# Allegro board Try it by yourself - iMX6Rex module - Create Class and Assign Color.brd (continued)
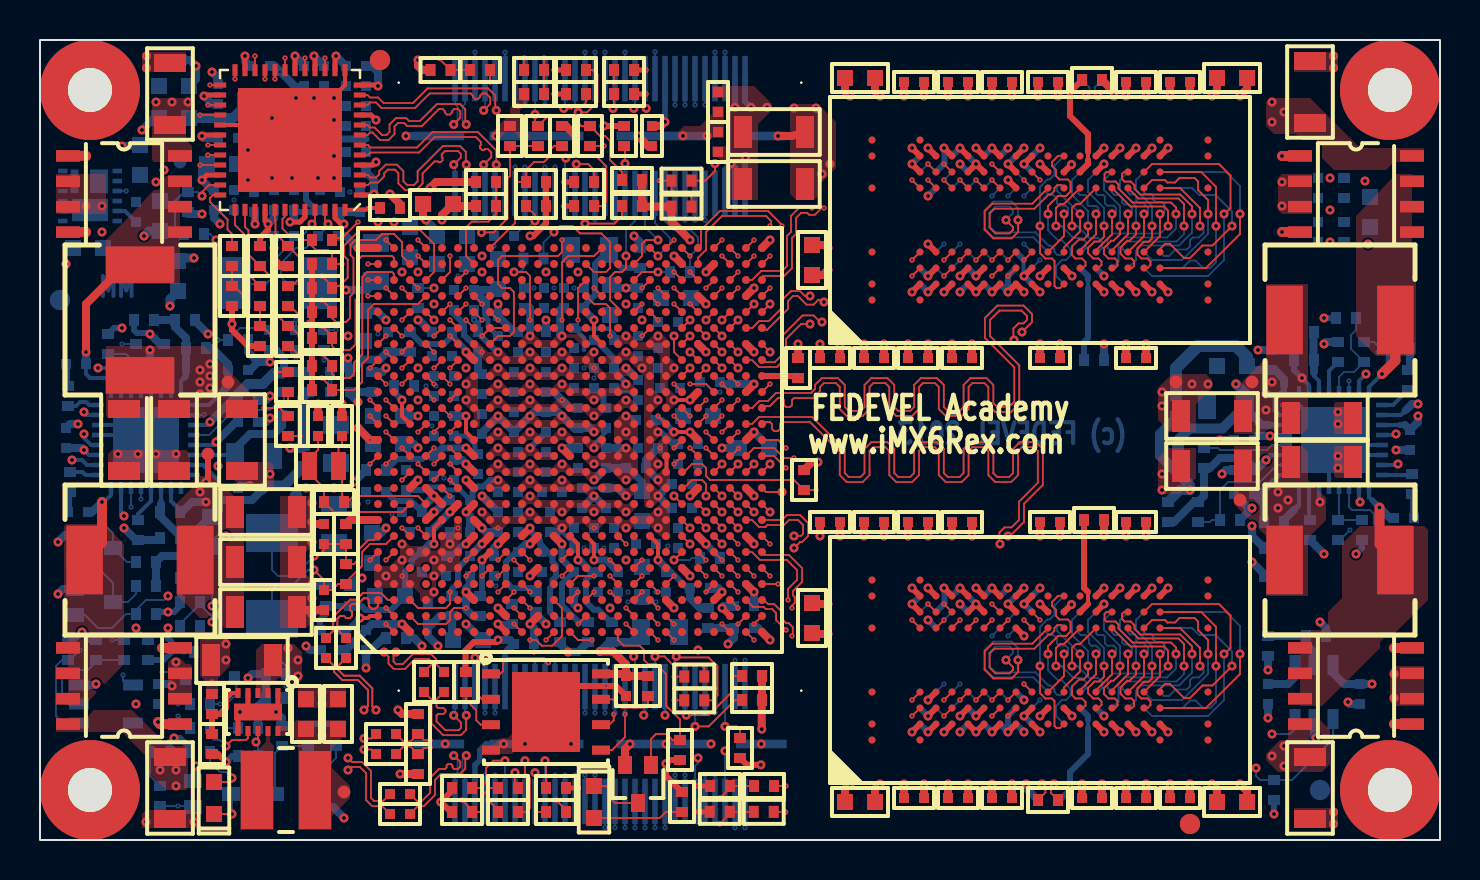
[diagram p0: board, top side]
## Copper pours and planes (outline as drawn; the poured copper is in the pictures) (continued)
+1V2_ETH on BOTTOM: 2.5,32.3 3.4,32.3 3.4,32.8 4.7,32.8 4.7,32.4 4.4,32.1 3.6,32.1 3.6,31.8 4.4,31.8 4.6,31.6 5.1,31.6 5.2,31.5 6.4,31.5 6.4,32.8 7,33.4 7.5,33.9 7.5,35.3 7.9,35.7 7.9,36.5 7,36.5 7,35.9 6.4,35.3 6,34.9 6,34.2 5.5,33.7 2.5,33.7
+1V2_ETH on L5 (PWR): 1,39 7.1,39 7.1,27.3 10.6,23.8 12.5,23.8 12.5,19 13.5,18 13.5,14.1 16.5,14.1 16.5,12 14.4,9.9 7.5,9.9 7.5,21.7 5.2,21.7 5.2,26.2 1,26.2
+1V2_ETH_AVDDL on BOTTOM: 16,34.1 16.4,34.1 16.6,33.9 16.6,33.8 16.7,33.7 16.9,33.7 17,33.8 17,36.8 16.8,37 16,37
+1V2_ETH_DVDDL on L8 (PWR): 1,39 9.9,39 9.9,39.3 10,39.4 10.5,39.4 10.6,39.3 10.6,39 12.4,39 12.4,39.3 12.5,39.4 13,39.4 13.1,39.3 13.1,39 14.4,39 14.4,39.3 14.5,39.4 15.1,39.4 15.2,39.3 15.2,37.4 12.3,34.5 12.3,29.8 8.6,29.8 6,32.4 1,32.4
+1V2_VDD_ARM_CAP on TOP: 28.2,18.6 28.3,18.5 28.3,18.3 27.9,17.9 27.5,17.9 27.2,18.2 26.4,18.2 26.2,18.4 26,18.4 25.8,18.2 24.8,18.2 24.6,18.4 24.4,18.4 24.2,18.2 23.2,18.2 23,18.4 22.8,18.4 22.6,18.2 22.4,18.2 22.3,18.3 22.3,18.5 22.7,18.9 23.1,18.9 23.4,18.6 24,18.6 24.3,18.9 24.7,18.9 25,18.6 25.6,18.6 25.9,18.9 26.3,18.9 26.6,18.6 27.4,18.6 27.6,18.4 27.8,18.4 28,18.6
+1V2_VDD_ARM_CAP on TOP: 22.3,19.9 22.4,19.8 22.6,19.8 22.8,20 23,20 23.2,19.8 24.2,19.8 24.4,20 24.6,20 24.8,19.8 25.8,19.8 26,20 26.2,20 26.4,19.8 27.2,19.8 27.5,19.5 27.9,19.5 28.3,19.9 28.3,20.1 28.2,20.2 28,20.2 27.8,20 27.6,20 27.4,20.2 26.6,20.2 26.3,20.5 25.9,20.5 25.6,20.2 25,20.2 24.7,20.5 24.3,20.5 24,20.2 23.4,20.2 23.1,20.5 22.7,20.5 22.3,20.1
+1V2_VDD_ARM_CAP on BOTTOM: 22.6,17.7 22.6,17.2 23.2,17.2 23.3,17.3 23.3,17.6 23.5,17.8 23.5,18.9 23.7,19.1 24.1,19.1 24.3,18.9 24.3,18.7 24.4,18.6 24.6,18.6 25.1,19.1 25.6,19.1 25.9,18.8 25.9,18.7 26,18.6 26.2,18.6 26.3,18.7 26.3,18.9 25.8,19.4 25.8,19.7 26.1,20 26.3,20.2 26.3,20.5 26.2,20.6 26,20.6 25.8,20.4 25.8,20.2 25.3,19.7 24.2,19.7 24.7,20.2 24.7,20.5 24.6,20.6 24.4,20.6 24.2,20.4 24.2,20.2 23.9,19.9 23.5,19.9 23.2,20.2 23.2,20.4 23,20.6 22.8,20.6 22.6,20.4 22.6,20.1 22.2,19.7 21.8,19.7 21.6,19.5 21.6,19 22.2,19 22.6,18.6 22.9,18.6 23.2,18.3 23.2,17.9 23,17.7
+1V2_VDD_ARM_CAP on L7 (PWR): 17.2,18.9 17.2,20.4 22.2,20.4 22.2,21.9 29.2,21.9 29.2,15.7 25.4,15.7 25.4,16.3 23.7,16.3 23.7,18.4 22.3,18.4 21.8,18.9
+1V5_DDR on TOP: 30.2,16.7 30.3,16.6 30.6,16.6 31,17 31,17.4 30.5,17.9 30.5,18.1 31,18.6 31,19 30.7,19.3 30.7,19.9 31,20.2 31,20.6 30.6,21 30.6,21.4 31,21.8 31,22.2 30.7,22.5 30.7,24.1 30.6,24.2 29.8,24.2 29.5,24.5 29.1,24.5 28.8,24.2 28,24.2 27.9,24.1 27.9,23.9 28,23.8 29,23.8 29.2,24 29.4,24 30.2,23.2
+1V5_DDR on TOP: 63.4,12.2 63.4,15.1 64.3,16 64.3,17.1 63.4,18 63.4,19.4 63.1,19.7 59.7,19.7 59.7,16.8 61.3,15.2 61.3,12.2
+1V5_DDR on BOTTOM: 31.5,27.5 31.5,26.7 31.2,26.4 31.2,25.7 31.1,25.6 30.7,25.6 30.6,25.7 30.1,25.7 29.7,26.1 29.7,26.9 30.3,26.9 30.6,27.2 30.6,27.5
+1V5_DDR on BOTTOM: 30.8,21.8 31,21.8 31.3,22.1 31.3,22.8 31.5,23 32.4,23 32.7,22.7 32.7,22.6 33.3,22.6 33.3,23.2 32.6,23.2 32.5,23.3 31.3,23.3 31.2,23.4 31.2,23.9 30.6,23.9 30.2,24.3 30.2,24.5 29.6,24.5 29.5,24.6 29.2,24.6 29.1,24.5 29.1,24.3 30,23.4 30.2,23.4 30.6,23 30.6,22 30.7,21.9 31.1,21.9
+1V5_DDR on BOTTOM: 32.2,20.1 32.2,18.5 31.9,18.2 31.9,17.5 31.3,17.5 31.3,18.1 30.7,18.7 30.7,18.9 30.9,19.1 31.3,19.1 31.4,19.2 31.4,20.1
+1V5_DDR on BOTTOM: 63.6,33.4 66.1,33.4 66.9,32.6 66.9,31.7 66.1,31.7 66.1,32.5 65.8,32.8 63.6,32.8
+1V5_DDR on BOTTOM: 31.6,15.3 32.2,15.3 32.2,15.9 31.9,16.2 31.9,16.9 31.3,16.9 31.3,16.3 31.6,16
+1V5_DDR on L8 (PWR): 1,1 69,1 69,39 20.1,39 20.1,33.2 20.5,33.2 20.5,30.7 30.1,30.7 30.1,26.3 29,25.2 29,24.1 30,23.1 30,13.9 17.2,13.9 17.2,8.9 12.3,8.9 12.3,19.2 1,19.2
+1V375 on TOP: 22.3,20.7 22.4,20.6 22.6,20.6 22.8,20.8 23,20.8 23.2,20.6 24.2,20.6 24.4,20.8 24.6,20.8 24.8,20.6 25.8,20.6 26,20.8 26.2,20.8 26.4,20.6 27.2,20.6 27.5,20.3 27.9,20.3 28.3,20.7 28.3,20.9 28.2,21 28,21 27.8,20.8 27.6,20.8 27.4,21 26.6,21 26.3,21.3 25.9,21.3 25.6,21 25,21 24.7,21.3 24.3,21.3 24,21 23.4,21 23.1,21.3 22.7,21.3 22.3,20.9
+1V375 on TOP: 3.3,24.7 3.3,21.2 3.4,21.1 10.9,21.1 10.9,22 8.2,24.7
+1V375 on TOP: 23.9,16.7 24,16.6 24.2,16.6 24.4,16.8 24.6,16.8 24.8,16.6 25.6,16.6 25.9,16.3 26.3,16.3 26.6,16.6 27.2,16.6 27.5,16.3 27.9,16.3 28.2,16.6 28.8,16.6 29.1,16.3 29.5,16.3 29.9,16.7 29.9,16.9 29.8,17 29.6,17 29.4,16.8 29.2,16.8 29,17 28,17 27.8,16.8 27.6,16.8 27.4,17 25,17 24.7,17.3 24.3,17.3 23.9,16.9
+1V375 on BOTTOM: 24.8,17 24.8,17.7 25.4,17.7 25.4,17.1 25.9,16.6 26.3,16.6 27,15.9 27.4,15.9 27.5,16 27.5,16.5 27.6,16.6 27.8,16.6 27.9,16.5 27.9,16 28,15.9 28.5,15.9 29.2,16.6 29.4,16.6 29.5,16.5 29.5,16.3 29,15.8 29,15.5 29.4,15.1 30.1,15.1 30.1,14.5 30.5,14.1 30.5,13.2 29.7,13.2 29.7,14.2 29.5,14.4 29.5,14.6 29,15.1 28.9,15.1 28.7,15.3 26.5,15.3 26.5,15.7 26.4,15.8 26.1,16.1 25.2,16.1 25.2,16.6
+1V375 on BOTTOM: 18.9,30.2 18.9,31.1 18.7,31.3 16.8,31.3 16.7,31.2 16.7,30.7 16.8,30.6 17.7,30.6 18.1,30.2
+1V375 on L8 (PWR): 29.8,21.2 29.8,14.1 17,14.1 17,9.1 12.5,9.1 12.5,19.4 1,19.4 1,32.2 5.9,32.2 8.5,29.6 14.7,29.6 16.5,31.4 18.4,31.4 18.4,29.5 17.1,28.2 17.1,26.6 16.5,26 16.5,21.9 26.3,21.9 27,21.2
+1V375_VDDSOC_IN on TOP: 22.3,22.3 22.4,22.2 22.6,22.2 22.8,22.4 23,22.4 23.2,22.2 24.2,22.2 24.4,22.4 24.6,22.4 24.8,22.2 25.8,22.2 26,22.4 26.2,22.4 26.4,22.2 27.2,22.2 27.5,21.9 27.9,21.9 28.2,22.2 29,22.2 29.2,22.4 29.4,22.4 29.6,22.2 29.8,22.2 29.9,22.3 29.9,22.5 29.5,22.9 29.1,22.9 28.8,22.6 28,22.6 27.8,22.4 27.6,22.4 27.4,22.6 26.6,22.6 26.3,22.9 25.9,22.9 25.6,22.6 25,22.6 24.7,22.9 24.3,22.9 24,22.6 23.4,22.6 23.1,22.9 22.7,22.9 22.3,22.5
+1V375_VDDSOC_IN on BOTTOM: 28.1,25.9 28.1,26.7 28.8,26.7 29.1,27 29.4,27 29.5,26.9 29.5,26.6 29.4,26.5 29.4,26.1 29.2,25.9
+1V375_VDDSOC_IN on BOTTOM: 20.3,29.2 20.3,28.4 20.1,28.2 18,28.2 17.9,28.3 17.9,29.5 18,29.6 19,29.6 19.2,29.4 20.1,29.4
+1V375_VDDSOC_IN on BOTTOM: 22.4,23.6 22.8,23.2 23.2,23.2 23.4,23.4 23.4,23.7 24,23.7 24,23.6 24.4,23.2 24.6,23.2 25,23.6 25,23.7 25.6,23.7 25.6,23.5 26,23.1 26.2,23.1 26.4,22.9 27,22.9 27,22.6 27.4,22.2 27.8,22.2 27.9,22.1 27.9,21.9 27.8,21.8 27.5,21.8 27.3,22 27.2,22 27.1,22.1 26.5,22.1 25.5,23.1 25,23.1 24.7,22.8 24.7,22.7 24.6,22.6 24.4,22.6 24.3,22.7 24.3,22.8 24,23.1 23.6,23.1 23.1,22.6 22.7,22.6 22.3,23 21.8,23 21.7,23.1 21.7,23.6
+1V375_VDDSOC_IN on L8 (PWR): 18.6,30.5 18.6,29.4 17.3,28.1 17.3,26.5 16.7,25.9 16.7,22.1 26.4,22.1 27.1,21.4 29.8,21.4 29.8,22.9 28.8,23.9 28.8,25.4 29.9,26.5 29.9,30.5
+2V5 on TOP: 63.4,27.8 63.4,20.6 63.1,20.3 59.7,20.3 59.7,22.3 60.1,22.7 60.1,22.9 61.3,24.1 61.3,27.8
+2V5 on L7 (PWR): 17.7,8.7 23.7,8.7 23.7,10.9 25.4,12.6 25.4,15.5 29.3,15.5 29.4,15.6 29.4,22.1 22.2,22.1 22.2,25.5 18,25.5 18,24.8 16.5,24.8 16.5,20.9 17,20.4 17,18.7 15.8,17.5 13.7,17.5 13.7,25.2 6.3,25.2 6.3,29.2 27,29.2 27,30.7 32.4,30.7 32.4,27.4 54.1,27.4 54.1,22 60.3,22 60.3,23.4 63.6,23.4 63.6,15 54.9,15 54.9,1 14.8,1 14.8,13 17.7,13
+2V5_ETH_DVDDH on L5 (PWR): 7.3,39 7.3,27.4 10.7,24 13.5,24 15.3,25.8 15.3,29.7 23.5,29.7 23.5,39 19.3,39 19.3,39.1 19.2,39.2 18.6,39.2 18.5,39.1 18.5,39 14.1,39 14.1,39.3 14,39.4 13.4,39.4 13.3,39.3 13.3,39
+2V5_VDDHIGH_VPH on L7 (PWR): 23.5,16.3 23.5,18.2 22.2,18.2 21.7,18.7 17.3,18.7 15.9,17.3 14.8,17.3 14.8,15.5 16.3,15.5 16.8,16 18.1,17.3 20.5,17.3 21.5,16.3
+3V0_ALWAYS on TOP: 23.4,16.6 23.5,16.7 23.5,16.9 23.4,17 22.6,17 22.2,17.4 22,17.4 21.9,17.3 21.9,17.1 22.4,16.6
+3V0_ALWAYS on TOP: 11.8,5.7 12.5,5.7 12.8,6 15.3,6 15.3,5.1 15.1,5.1 14.6,4.6 14.6,3.6 15.5,2.7 15.5,2.1 14.6,1.2 14.6,0.5 12.9,0.5 12.9,4.9 12.6,5.2 11.8,5.2
+3V0_ALWAYS on BOTTOM: 14.1,19.3 15.5,19.3 15.5,18.3 15,17.8 15,17.6 14.9,17.5 14.2,17.5 14.1,17.6
+3V0_ALWAYS on L5 (PWR): 1,26 5,26 5,21.5 7.3,21.5 7.3,9.7 14.5,9.7 16.7,11.9 16.7,14.3 13.7,14.3 13.7,17.9 16.1,17.9 17.6,16.4 20.4,16.4 20.4,19.4 23.5,19.4 23.5,13.1 21.1,13.1 19.2,11.2 19.2,7.1 32.7,7.1 32.7,10.3 49.1,10.3 49.1,4.8 49.4,4.5 51,4.5 51.8,3.7 51.8,2.7 52,2.5 54.4,2.5 54.4,3.3 58.9,3.3 60.8,5.2 65.4,9.8 65.4,12.4 65.7,12.7 65.7,14.8 66.8,15.9 66.8,22.9 64.1,25.6 64.1,26.3 64.4,26.6 69,26.6 69,1 1,1
+3V3 on TOP: 24,24.6 24.2,24.6 24.4,24.8 24.6,24.8 24.8,24.6 25.8,24.6 26.3,25.1 26.7,25.1 27.2,24.6 27.4,24.6 27.5,24.7 27.5,24.9 27.1,25.3 25.9,25.3 25.6,25 25,25 24.7,25.3 24.3,25.3 23.9,24.9 23.9,24.7
+3V3 on TOP: 6.8,12.3 8,11.1 8.7,11.1 9.2,10.6 10.2,10.6 10.2,17.2 9.7,17.2 8.7,18.2 8,18.2 7.7,17.9 7.7,17.7 6.8,16.8
+3V3 on TOP: 21.9,21.6 22,21.5 22,20.7 21.9,20.6 21.6,20.6 21.5,20.7 21.5,20.9 21.7,21.1 21.7,21.3 21.2,21.8 21.2,22.2 21.3,22.3 21.3,22.5 21.2,22.6 21.2,23 21.6,23.4 21.8,23.4 21.9,23.3
+3V3 on BOTTOM: 23.9,26.9 26.5,26.9 26.5,26.3 26.2,26 25.8,26 25.5,26.3 25.1,26.3 24.7,25.9 24.3,25.9 23.9,26.3
+3V3 on BOTTOM: 20.3,24.4 20.4,24.5 20.8,24.5 20.9,24.4 20.9,23.6 21,23.5 21,23.3 21.3,23 21.4,23 21.5,22.9 21.5,21.9 21.4,21.8 20.6,21.8 20.4,22 20.4,23.8 20.3,23.9
+3V3 on BOTTOM: 4.1,5.5 5.2,5.5 5.3,5.6 5.3,6.1 5.7,6.5 6.2,6.5 6.2,7.1 4.7,7.1 4.1,6.5
+3V3 on BOTTOM: 0.9,31.1 1.4,31.1 1.4,30.5 1.8,30.1 1.9,30 2.1,30 2.1,29.1 1.6,28.6 1.2,28.6 1.1,28.7 1.1,30 0.9,30.2
+3V3 on L6 (PWR): 1,39 1,1 69,1 69,39
+3V3_ETH_AVDDH on L8 (PWR): 15.4,39 19.9,39 19.9,33 20.3,33 20.3,30.7 18.6,30.7 18.6,31.6 16.4,31.6 14.6,29.8 12.5,29.8 12.5,34.4 15.4,37.3
+5V_USB_VBUS on L5 (PWR): 23.7,39 32.5,39 32.5,25.3 20.2,25.3 20.2,23.7 17,23.7 15.3,22 15.3,21 16.9,19.4 20.2,19.4 20.2,16.6 17.7,16.6 16.2,18.1 13.7,18.1 12.7,19.1 12.7,23.8 13.6,23.8 15.5,25.7 15.5,29.5 23.7,29.5
+VDDPU on TOP: 22.4,23 22.6,23 22.8,23.2 23,23.2 23.2,23 24.2,23 24.4,23.2 24.6,23.2 24.8,23 25.8,23 26,23.2 26.2,23.2 26.4,23 27.4,23 27.5,23.1 27.5,23.3 27.4,23.4 26.6,23.4 26.3,23.7 25.9,23.7 25.6,23.4 25,23.4 24.7,23.7 24.3,23.7 24,23.4 23.4,23.4 23.1,23.7 22.7,23.7 22.3,23.3 22.3,23.1
+VDDPU on BOTTOM: 22.7,23.5 22.8,23.4 23,23.4 23.5,23.9 24.2,23.9 24.3,23.8 24.3,23.6 24.7,23.6 24.7,23.7 24.9,23.9 25.7,23.9 25.9,23.7 25.9,23.6 26.3,23.6 26.3,23.9 26.4,24 26.7,24 26.9,24.2 26.9,24.9 25.8,24.9 25.6,24.7 24.9,24.7 24.9,24.5 24.8,24.4 24.2,24.4 24.2,24.7 23.9,24.7 23.1,25.5 22.7,25.5 22.7,25 23,25 23.3,24.7 23.3,24.3 22.7,23.7
+VDDUSB on L7 (PWR): 18.3,13.2 20.5,15.4 21,15.4 21,16.5 20.4,17.1 18.2,17.1 16.4,15.3 14.8,15.3 14.8,13.2
+VIN on TOP: 11.5,7.1 10.8,7.1 10.8,9.5 11.1,9.8 12.7,9.8 13.1,9.4 13.1,8 13,7.9 12.6,7.9 12.4,8.1 11.9,8.1 11.5,7.7
+VIN on TOP: 0.8,6.1 0.8,5.4 4.1,5.4 5.4,4.1 5.4,3.4 6.3,2.5 7.3,2.5 7.4,2.6 7.4,4.6 7.3,4.7 6.4,4.7 4.6,6.5 2.7,6.5 2.3,6.1
+VIN on TOP: 35.9,32 35.9,35.8 36.6,36.5 36.6,36.8 35.7,37.7 33.6,37.7 33.6,37.1 34.3,37.1 34.4,37 34.4,34.8 34.3,34.7 33.6,34.7 33.6,33.9 34.1,33.9 34.4,33.6 34.4,32
+VIN on TOP: 69.2,33.9 69.2,34.6 66,34.6 63.5,37.1 61.5,37.1 61.3,36.9 61.3,35.7 61.7,35.3 62.8,35.3 63.1,35 63.8,35 64.1,34.7 64.1,34.1 64.7,33.5 67.3,33.5 67.7,33.9
+VIN on TOP: 62.4,6.1 63.9,6.1 64.5,5.5 64.5,3.8 64.1,3.4 61.9,3.4 61.3,4 61.3,4.3 62,5 62.3,5 62.4,5.1
+VIN on TOP: 7.6,33.9 7.6,34.7 7.3,35 7.3,36.3 7.6,36.6 7.6,37 7.5,37.1 5.7,37.1 5.6,37 5.6,34 5.7,33.9
+VIN on BOTTOM: 8.8,18.5 10.2,18.5 10.2,19.9 9.3,19.9 9.3,19.8 9,19.5 8.7,19.5 8.6,19.4 8.6,18.7
+VIN on L7 (PWR): 14.6,1 1,1 1,39 69,39 68.9,38.9 68.9,1 55.1,1 55.1,14.8 63.8,14.8 63.8,23.6 60.1,23.6 60.1,22.2 54.3,22.2 54.3,27.6 32.6,27.6 32.6,30.9 26.8,30.9 26.8,29.4 6.1,29.4 6.1,25 13.5,25 13.5,17.3 14.6,17.3
GND on TOP: 12.9,7.6 15.3,7.6 15.3,6.6 12.9,6.6
GND on TOP: 23.9,17.5 24,17.4 24.2,17.4 24.4,17.6 24.6,17.6 24.8,17.4 27.2,17.4 27.5,17.1 27.9,17.1 27.9,17.3 27.4,17.8 26.6,17.8 26.3,18.1 25.9,18.1 25.6,17.8 25,17.8 24.7,18.1 24.3,18.1 23.9,17.7
GND on TOP: 8.3,7.1 8.9,7.1 8.9,8.1 9.5,8.7 9.5,9.9 9.3,10.1 8.1,10.1 8,10 8,8.2 8.3,7.9
GND on TOP: 69.2,8.7 69.2,6.7 67.7,6.7 67.5,6.9 67.5,8.5 67.7,8.7
GND on TOP: 62.7,39.4 64.8,39.4 64.9,39.3 64.9,38.6 64.8,38.5 64.8,38.4 62.7,38.4
GND on TOP: 6.4,6.8 7.6,6.8 7.6,8.7 7.5,8.8 7.3,8.8 7,9.1 6.6,9.1 6.4,8.9
GND on TOP: 30.9,19.3 31.2,19 31.4,19 31.5,19.1 31.5,19.3 31.4,19.4 31.4,19.8 31.9,20.3 31.9,20.5 31.8,20.6 31.6,20.6 30.9,19.9
GND on TOP: 9.3,18.9 11.5,18.9 11.7,18.7 11.7,17.7 11.5,17.5 10.2,17.5 9.7,18 9.3,18
GND on TOP: 56.5,20.4 57.8,20.4 57.8,21.8 58.2,22.2 58.6,22.6 58.6,23 58.3,23.3 56.6,23.3 55.9,22.6 55.9,21
GND on TOP: 16.7,12.7 16.8,12.6 18.7,12.6 19,12.3 19,12 19.2,11.8 19.4,11.8 19.9,12.3 19.9,12.5 19.8,12.6 19.8,13 20.2,13.4 21,13.4 21.1,13.5 21.1,13.8 21,13.9 21,14.1 21.1,14.2 21.1,16.1 21,16.2 20.8,16.2 20.7,16.1 20.7,15.5 20.6,15.4 20,15.4 19.9,15.3 19.9,15 19.7,14.8 19.4,14.7 18.5,14.7 18.2,15 18,15 17.9,14.9 17.9,14.7 18,14.6 18,14.2 17.5,13.7 17.1,13.7 17,13.8 16.8,13.8 16.7,13.7
GND on TOP: 27.1,19.1 27.5,18.7 28.3,18.7 29.1,17.9 29.5,17.9 29.9,18.3 29.9,19.3 29.5,19.7 29.1,19.7 28.8,19.4 28,19.4 27.8,19.2 27.6,19.2 27.4,19.4 27.2,19.4 27.1,19.3
GND on TOP: 22.3,19.1 22.4,19 22.6,19 22.8,19.2 23,19.2 23.2,19 24.2,19 24.4,19.2 24.6,19.2 24.8,19 25.8,19 25.9,19.1 25.9,19.3 25.8,19.4 25,19.4 24.7,19.7 24.3,19.7 24,19.4 23.4,19.4 23.1,19.7 22.7,19.7 22.3,19.3
GND on TOP: 63.6,33.3 63.6,31.3 62.1,31.3 61.9,31.5 61.9,33.1 62.1,33.3
GND on TOP: 62.7,0.6 64.8,0.6 64.9,0.7 64.9,1.5 64.8,1.6 62.7,1.6
GND on TOP: 22.1,4.3 23.6,4.3 23.8,4.5 23.8,5.3 23.6,5.3 23.4,5.1 23,5.1 22.6,4.7 22.1,4.7
GND on TOP: 23.7,35.4 24,35.1 24.4,35.1 24.4,35.4 24,35.8 24,36.5 24.5,37 24.5,37.6 23.9,37.6 23.9,37 23.5,36.6 23.5,36.3 23.2,36 22.6,35.4 22.6,35.1 23,35.1 23.3,35.4
GND on TOP: 0.8,33.3 0.8,31.3 3.2,31.3 3.3,31.4 3.3,33.2 3.2,33.3
GND on TOP: 7.3,38.4 5.3,38.4 5.1,38.6 5.1,39.2 5.3,39.4 7.3,39.4
GND on TOP: 66.1,18.1 64.8,18.1 64.7,18.2 64.7,19.6 64.8,19.7 66.1,19.7
GND on TOP: 5.1,0.6 7.9,0.6 7.9,1.3 7.7,1.5 5.3,1.5 5.1,1.3
GND on TOP: 66.1,21.9 66.1,20.3 64.8,20.3 64.7,20.4 64.7,21.8 64.8,21.9
GND on TOP: 34.2,36.7 34.2,35.1 33.6,35.1 33.5,35 32,35 31.9,35.1 31.9,35.4 32.2,35.7 33,35.7 33.6,36.3 33.6,36.7
GND on TOP: 3.4,18 7.5,18 7.5,19.3 7.3,19.5 3.6,19.5 3.4,19.3
GND on TOP: 13.6,17.2 13.7,17.1 13.7,14.7 13.6,14.6 13.5,14.6 13.3,14.4 13.3,13.3 13.5,13.1 13.6,13.1 13.7,13 13.7,11 13.3,10.6 12,10.6 12,17.2
GND on TOP: 55.9,17.4 56,17.3 57,17.3 57.5,17.8 57.8,18.1 57.8,19.6 56.4,19.6 55.9,19.1
GND on TOP: 37.8,32 38.7,32 39,32.3 39,32.8 39.8,33.6 39.8,35.9 38.9,36.8 37.6,36.8 37.5,36.7 37.5,32.3
GND on TOP: 22.4,21.4 22.6,21.4 22.8,21.6 23,21.6 23.2,21.4 24.2,21.4 24.4,21.6 24.6,21.6 24.8,21.4 25.8,21.4 26,21.6 26.2,21.6 26.4,21.4 27.2,21.4 27.5,21.1 27.9,21.1 28.2,21.4 29,21.4 29.2,21.6 29.4,21.6 29.6,21.4 29.8,21.4 29.9,21.5 29.9,21.7 29.5,22.1 29.1,22.1 28.8,21.8 28,21.8 27.8,21.6 27.6,21.6 27.4,21.8 26.6,21.8 26.3,22.1 25.9,22.1 25.6,21.8 25,21.8 24.7,22.1 24.3,22.1 24,21.8 23.4,21.8 23.1,22.1 22.7,22.1 22.3,21.7 22.3,21.5
GND on TOP: 24.2,15.8 24.4,16 24.6,16 24.8,15.8 25.6,15.8 25.9,15.5 26.3,15.5 26.6,15.8 27.2,15.8 27.5,15.5 27.9,15.5 28.2,15.8 28.8,15.8 29.1,15.5 29.5,15.5 29.8,15.8 30.4,15.8 31.2,15 31.4,15 31.5,15.1 31.5,16.9 31.4,17 31.2,17 30.4,16.2 29.6,16.2 29.4,16 29.2,16 29,16.2 28,16.2 27.8,16 27.6,16 27.4,16.2 26.4,16.2 26.2,16 26,16 25.8,16.2 25,16.2 24.7,16.5 24.3,16.5 24,16.2 22.6,16.2 22.3,16.5 21.9,16.5 21.9,16.3 22.7,15.5 23.1,15.5 23.4,15.8
GND on TOP: 22.4,24.4 22.6,24.4 22.7,24.5 23.1,24.5 23.4,24.2 24,24.2 24.3,24.5 24.7,24.5 25,24.2 25.6,24.2 25.9,24.5 26.3,24.5 26.6,24.2 27.2,24.2 27.5,24.5 27.9,24.5 27.9,24.3 27.7,24.1 27.7,23.9 28.2,23.4 28.8,23.4 29.1,23.7 29.5,23.7 29.9,23.3 29.9,23.1 29.8,23 29.6,23 29.4,23.2 29.2,23.2 29,23 28,23 27.2,23.8 26.4,23.8 26.2,24 26,24 25.8,23.8 24.8,23.8 24.6,24 24.4,24 24.2,23.8 23.2,23.8 23,24 22.8,24 22.6,23.8 22.4,23.8 21.5,24.7 21.5,24.9 21.6,25 21.8,25
GND on TOP: 28.7,24.7 28.8,24.6 29,24.6 29.2,24.8 29.4,24.8 29.7,24.5 30.7,24.5 31,24.2 31,22.4 31.3,22.1 31.3,21.9 31.1,21.7 31.1,21.5 31.2,21.4 31.4,21.4 31.8,21.8 31.8,22.2 31.4,22.6 31.4,23 31.8,23.4 31.8,23.8 31.5,24.1 31.5,24.9 31.1,25.3 30.7,25.3 30.3,24.9 29.9,24.9 29.5,25.3 29.1,25.3 28.7,24.9
GND on BOTTOM: 13.5,14.7 13.7,14.7 14,14.4 15.4,14.4 15.4,15.3 15.3,15.4 14.2,15.4 13.8,15.8 13.8,16 13.7,16.1 13.5,16.1
GND on BOTTOM: 5.1,38.5 5.4,38.2 5.4,37.3 6.4,37.3 6.4,39.4 5.2,39.4 5.1,39.3
GND on BOTTOM: 16.1,17.7 16.6,17.7 16.6,17.1 17.1,16.6 18.4,16.6 18.4,16 18.8,15.6 18.8,15.1 18.3,14.6 18.3,13.9 17.2,12.8 17.2,11.8 16.3,11.8 16.3,12.8 16.5,13 16.5,13.2 16.2,13.5 16.2,14.3 17.1,14.3 17.6,14.8 17.6,15.8 17.4,16 16.2,16 16,15.8 15.8,15.8 15.7,15.9 15.7,16.2 16.1,16.6
GND on BOTTOM: 9.6,35.4 10.3,35.4 10.3,34.9 10.6,34.6 10.6,34.4 10.4,34.2 10.4,33.3 10.5,33.2 12.7,33.2 13,32.9 13,32.1 10.1,32.1 10,32 10,31.2 9.4,31.2 9.4,34.2 9.6,34.4
GND on BOTTOM: 63.6,29.6 66.5,29.6 66.9,30 66.9,31.1 66.1,31.1 66.1,30.3 66,30.2 63.6,30.2
GND on BOTTOM: 19.3,19.9 20,19.9 20,23.8 19.9,23.9 19.9,24.5 19.3,24.5 19.3,24.3 18.7,23.7 18.7,23.3 18.4,23 18.4,22.4 18.6,22.2 18.6,22 19.3,21.3
GND on BOTTOM: 23.6,13.7 25.4,13.7 25.4,13.1 24.8,13.1 24.7,13 24.3,13 24.2,13.1 23.6,13.1
GND on BOTTOM: 7.7,11 8.2,11 8.2,10.7 8.8,10.1 9.4,10.1 9.5,10 9.5,8.8 9.4,8.7 8.5,8.7 8.4,8.8 8.4,9.8 7.9,10.3 7.8,10.3 7.7,10.4
GND on BOTTOM: 11.2,19.9 12.1,19.9 12.1,18.5 11.7,18.1 11.3,18.1 11.2,18.2
GND on BOTTOM: 28.5,24.7 28.5,25.4 29.3,25.4 29.4,25.5 30.2,25.5 30.3,25.4 31.1,25.4 31.6,25.9 31.6,26.2 32.1,26.7 32.1,27.5 33.1,27.5 33.5,27.1 33.5,26.7 33.3,26.5 32.5,26.5 32.2,26.2 32.2,25.7 32.1,25.6 31.7,25.6 31.4,25.3 31.4,24.6 31.9,24.1 31.9,23.5 31.8,23.4 31.6,23.4 31.5,23.5 31.5,23.9 31.1,24.3 30.6,24.3 30.6,24.6 30.3,24.9 29.2,24.9 29,24.7
GND on BOTTOM: 32.3,16.3 32.9,16.3 32.9,18.1 33.2,18.4 33.2,19.9 34.2,20.9 33.2,20.9 32.9,20.6 31.6,20.6 31.5,20.5 31.5,20.3 32.4,20.3 32.6,20.1 32.6,18.5 32.3,18.2
GND on BOTTOM: 19.7,11.5 19.7,12.1 19.9,12.3 19.9,12.7 20.1,12.9 20.6,12.9 20.6,13.5 20,13.5 19.9,13.6 19.9,14.1 19.8,14.2 19.6,14.2 19.5,14.1 19.5,13.8 19.4,13.7 18.9,13.7 18.8,13.6 18.8,13.1 19.1,12.8 19.1,11.5
GND on BOTTOM: 14.1,23.7 14.8,23.7 14.8,22.1 14.9,22 15.2,22 15.3,21.9 15.3,21.7 15.4,21.6 17.1,21.6 17.1,19.4 16.2,19.4 15.3,20.3 14.1,20.3 13.9,20.5 13.9,21.5 13.7,21.7 13.7,21.9 13.8,22 13.9,22 14.1,22.2
GND on BOTTOM: 18,18.8 18.6,18.8 18.9,18.5 20.1,18.5 20.3,18.3 21.3,18.3 21.6,18.6 22.2,18.6 22.2,18.1 22.1,18 21.6,18 21.4,17.8 20.2,17.8 20,18 19.2,18 19.1,17.9 18.7,17.9 18.7,18.1 18.6,18.2 18,18.2
GND on BOTTOM: 12.7,36.9 14.4,36.9 14.5,36.8 14.5,35.9 14.7,35.7 14.9,35.7 15,35.6 15,35.4 15.6,35.4 15.6,37.3 15.7,37.4 16.5,37.4 16.5,38 12.6,38 12.6,37
GND on BOTTOM: 23.9,27.3 27.4,27.3 27.4,27.9 27.2,28.1 27.2,28.5 27,28.7 27,30.2 26.1,30.2 26.1,28.7 26,28.6 25.2,28.6 25,28.4 24.5,27.9 23.9,27.9
GND on BOTTOM: 57.9,21 58.8,21 58.8,22.8 58.9,22.9 59.3,23.3 59.3,24.1 58.4,24.1 57.4,23.1 57.4,22.5 57.9,22
GND on BOTTOM: 31.7,22.8 32.3,22.8 32.3,22.5 32.5,22.3 33.5,22.3 33.7,22.5 33.7,23.2 34.3,23.2 34.3,22.5 34.2,22.4 34.2,20.9 34.1,20.8 33.2,20.8 33.2,21.6 33,21.8 31.6,21.8 31.5,21.9 31.5,22.1 31.7,22.3
GND on BOTTOM: 20.9,30.6 21.7,30.6 21.7,30.2 21.9,30 22.3,30 22.5,30.2 22.5,30.5 22.9,30.5 23,30.4 23,29.8 23.3,29.5 23.3,28.6 22.6,28.6 22.2,28.2 21.3,28.2 21,27.9 21,27.2 20.5,27.2 19.9,26.6 19.6,26.6 19.5,26.7 19.5,26.9 19.7,27.1 20.2,27.6 20.2,27.9 20.5,28.2 20.6,28.2 20.9,28.5
GND on BOTTOM: 23.6,15.1 24.2,15.1 24.2,15.9 24.4,16.1 24.6,16.1 24.7,16.2 24.7,16.6 24.6,16.7 24.3,16.7 24.2,16.8 24.2,17.6 24.4,17.8 24.7,17.8 24.8,17.9 25.7,17.9 25.8,17.8 25.8,17.1 26.4,17.1 26.4,17.8 26.9,18.3 27.3,18.3 27.6,18.6 27.8,18.6 27.9,18.7 27.9,18.9 27.8,19 27.3,19 27.2,18.9 26.6,18.9 26.6,18.6 26.4,18.4 25.9,18.4 25.6,18.7 25,18.7 24.7,18.4 24.4,18.4 24.1,18.7 23.7,18.7 23.7,17.7 23.6,17.6
GND on BOTTOM: 21.8,22.6 22.4,22.6 22.4,22.4 22.5,22.3 23.3,22.3 23.4,22.4 23.4,22.7 24,22.7 24,22.4 24.1,22.3 24.8,22.3 25,22.5 25,22.7 25.6,22.7 25.6,22.1 25.1,22.1 24.7,21.7 24.2,21.7 24,21.5 24,21.2 23.4,21.2 23.4,21.5 23.2,21.7 22.5,21.7 22.3,21.5 22.3,21 21.8,21
GND on BOTTOM: 27.6,12.7 27.6,12.1 27.8,12.1 28.3,11.6 28.3,11.5 28.4,11.4 28.6,11.4 28.9,11.7 30.8,11.7 31.4,11.1 31.4,9.8 31.5,9.7 32.2,9.7 32.6,9.3 33,9.3 33.1,9.4 33.1,9.7 32.5,10.3 32.5,11.2 31.7,12 31.7,12.7 30.7,12.7 30.6,12.6 29.3,12.6 29.2,12.7
GND on BOTTOM: 26.7,21.9 27.2,21.9 27.5,21.6 27.9,21.6 28,21.7 28,21.9 28.3,22.2 29.4,22.2 29.5,22.1 29.5,21.9 29.4,21.8 29.2,21.8 28.7,21.3 28.1,21.3 27.8,21 27.5,21 27.2,21.3 26.7,21.3 26.6,21.4 26.6,21.8
GND on BOTTOM: 26.4,14.3 28.8,14.3 29.1,14 29.1,13.9 29.2,13.8 29.4,13.8 29.5,13.9 29.5,14.1 29.1,14.5 29.1,14.9 26.7,14.9 26.6,15 26.4,15
GND on BOTTOM: 1.6,32.1 3.4,32.1 3.4,31.1 4.1,31.1 4.1,29.2 2.7,29.2 2.7,30 2.9,30 2.9,30.6 2.6,30.9 1.6,30.9
GND on BOTTOM: 15.8,24.5 16.6,24.5 16.7,24.6 16.7,24.8 17,25.1 17.7,25.1 17.7,25.6 16.9,25.6 16.6,25.4 15.3,25.4 15.2,25.3 15.2,25.1
GND on BOTTOM: 22.4,13.5 23,13.5 23,12.4 23.3,12.1 23.9,12.1 23.9,11.5 23.2,11.5 23.1,11.4 22.8,11.4 22.6,11.6 22.6,12.8 22.4,13
GND on BOTTOM: 26.5,23.3 26.5,23.8 26.9,23.8 27.1,24 27.1,24.5 27.2,24.6 27.8,24.6 28,24.4 28,22.4 27.4,22.4 27.4,23.1 27.2,23.3
GND on BOTTOM: 13.7,32.1 16.3,32.1 16.3,32.7 15.8,32.7 15.6,32.9 15.6,34.7 15,34.7 14.7,34.4 13.5,34.4 13.5,33.5 13.7,33.3
GND on BOTTOM: 32.1,14.4 32.1,14.9 31.4,14.9 31.2,15.1 31.2,15.7 31.1,15.8 31.1,16.5 31,16.6 30.8,16.6 30.6,16.4 29.7,16.4 29.6,16.3 29.6,16.2 29.1,15.7 29.1,15.5 29.2,15.4 30.4,15.4 30.5,15.3 30.5,14.5 31.2,14.5 31.3,14.4
GND on L2, L4, L9: 0.1,0.1 0.1,39.9 69.9,39.9 69.9,0.1
GND on L11: 0.1,39.9 0.1,0.1 69.9,0.1 69.9,39.9
+DDR_VREF on BOTTOM: 63.6,30.6 64.2,30.6 64.2,31.1 64.4,31.3 64.6,31.3 64.9,31 64.9,30.6 65.5,30.6 65.5,32.4 64.9,32.4 64.9,32 64.6,31.7 64.4,31.7 64.2,31.9 64.2,32.4 63.6,32.4
+DDR_VREF on L5 (PWR): 62.1,29.4 65.8,29.4 65.8,32.2 65.3,32.7 61.6,32.7 61.6,29.9
+PCIE_VPH on L7 (PWR): 21.8,13 20.4,11.6 20.4,8.9 17.9,8.9 17.9,13 18.4,13 20.6,15.2 21.6,15.2 21.8,15
+PCIE_VPTX on L7 (PWR): 22,12.9 20.6,11.5 20.6,8.9 23.5,8.9 23.5,11 25.2,12.7 25.2,16.1 21.2,16.1 21.2,15.4 21.7,15.4 22,15.1
+SATA_VP on L7 (PWR): 22,20.6 17.2,20.6 16.7,21.1 16.7,24.6 18.2,24.6 18.2,25.3 22,25.3
PHASE1_2V5 on TOP: 68.8,24.3 68.7,24.2 66.8,24.2 65.8,25.2 65.8,31.2 67.8,33.3 68.6,33.3 68.6,28.3 68.8,28.1
PHASE1_3V3 on TOP: 1.2,15.7 1.3,15.8 3.2,15.8 4.2,14.8 4.2,8.8 2.2,6.7 1.4,6.7 1.4,11.7 1.2,11.9
PHASE2_1V5 on TOP: 63,6.7 63,10 63.5,10.5 64.1,10.5 64.4,10.8 64.4,11.4 65.1,12.1 65.1,14.8 66,15.7 69.2,15.7 69.4,15.5 69.4,12 67.6,10.2 67.3,10.2 67,9.9 67,9.6 64.1,6.7
PHASE2_1V375 on TOP: 7,27.8 3.3,27.8 3.3,30 4.4,31.1 5.6,32.4 5.7,32.5 5.9,32.5 6.2,32.8 6.2,33.1 6.3,33.2 7,33.2
SW_3V0_SNVS on TOP: 11.5,5.7 11.5,4.9 11.7,4.7 11.7,0.5 10,0.5 10,4.5 10.9,4.5 11.3,4.9 11.3,5.7
SW_EP on BOTTOM: 0.9,33.6 2,33.6 2,32.3 1.4,32.3 1.4,31.8 0.9,31.8

Small or netless copper shapes (teardrops, artwork), in the pictures only: 2 on TOP

## Text on the board
BOTTOM: MM | (c) FEDEVEL 2013
Board Geometry/Soldermask Bottom: (c) FEDEVEL 2013
Ref Des/Silkscreen Top: www.iMX6Rex.com | FEDEVEL Academy
MULTILAYER: Assembly TOP of iMX6 Rex Module | .VariantName | .VersionRevision | Assembly BOTTOM of iMX6 Rex Module
User.5: LICENCE | ORIGINAL AUTHOR: FEDEVEL 2013 | WEBSITE: http://www.iMX6Rex.com | This is a human-readable summary of the Legal Code (read full licence at: | http://creativecommons.org/licenses/by-nc-nd/3.0/deed.en_GB). | You are free: | to copy, distribute, display, and perform the work | Under the following conditions: | Attribution - You must give the original author credit. | Non-Commercial - You may not use this work for commercial purposes. | No Derivative Works - You may not alter, transform, or build upon this work. | With the understanding that: | Waiver - Any of the above conditions can be waived if you get permission from the copyright holder. | Public Domain - Where the work or any of its elements is in the public domain under applicable law, that status is in no way affected by the licence. | Other Rights - In no way are any of the following rights affected by the licence: | - Your fair dealing or fair use rights, or other applicable copyright exceptions and limitations; | - The author's moral rights; | - Rights other persons may have either in the work itself or in how the work is used, such as publicity or privacy rights. | Notice - For any reuse or distribution, you must make clear to others the licence terms of this work.
User.6: Layer | Name | Gerber | Document | Copper | Thickness | Dielectric | Height | Top Solder Mask | L1 | L2 | L3 | L4 | L5 | L6 | L7 | L8 | L9 | L10 | L11 | L12 | Bottom Solder Mask | (.GTS) | (.GTL) | (.G1) | (.G2) | (.GP1) | (.G3) | (.G4) | (.G5) | (.G6) | (.GP2) | (.G7) | (.G8) | (.GBL) | (.GBS) | 0.038mm | 0.015mm | 0.07mm | 0.092mm | 0.2mm | 0.102mm | 0.1mm | 0.118mm | 0.093mm | 0.071mm | Files | *.GTO - Top Overlay | *.GTP - Top Paste | *.GTS - Top Solder | *.GTL - L1 (Positive) | *.G1 - L2 (Positive) | *.G2 - L3 (Positive) | *.GP1 - L4 (Negative) | *.G3 - L5 (Positive) | *.G4 - L6 (Positive) | *.G5 - L7 (Positive) | *.G6 - L8 (Positive) | *.GP2 - L9 (Negative) | *.G7 - L10 (Positive) | *.G8 - L11 (Positive) | *.GBL - L12 (Positive) | *.GBS - Bottom Solder | *.GBP - Bottom Paste | *.GBO - Bottom Overlay | *.GM2 - Mechanical Drawing | *.GM3 - Manufacturing Notes | *.GM4 - Licence | *.GM28 - Board Outline | Copyright FEDEVEL 2013 | Contact: | robert.feranec@fedevel.com | Designed by FEDEVEL | www.fedevel.com | Board info | Minimum Track: 80um | Minimum Gap: 75um | Minimum Through Hole VIA: 0.45mm (pad) / 0.2mm (drill). Drilling: L1-L12 | uVIA: 0.27mm (pad) / 0.1mm (laser drilled hole). Drilling: L1-L2, L2-L3, L10-L11, L11-L12 | Buried VIA: 0.45mm (pad) / 0.2mm (drill). Driling: L3-L10 | 1. REMOVE ALL NON-FUNCTIONAL INNER LAYER PADS. | 2. THIS BOARD CONTAINS IMPEDANCE CONTROLLED TRACKS, TRACK AND GAP SIZES ARE AS FOLLOWS: | 3. FINISHED PANEL THICKNESS IS NOT CRITICAL: TO BE APPROXIMATELY 1.6mm | 4. BOARD FINISH: IMMERSION Au/ELECTROLESS Ni; 0.05-0.12 um GOLD; 3-6um NICKEL | 5. SOLDER RESIST: APPLY TO BOTH SIDES COLOUR - DARK BLUE | 6. COMPONENT IDENT: COLOUR TO BE WHITE | 7. PANELIZE THE BOARD (2PCS PER PANEL). PLACE FIDUCIALS ON THE PANEL STRIPS AS FOLLOWS: | TYPE; | DIFF; | SE; | - FIDUCIAL DIAMTER 1-1.5MM, SOLDER MASK OPENING AT LEAST 1MM GREATER THAN FIDUCIAL | - MINIMUM 4MM DISTANCE FROM THE PANEL EDGE | - 3 FIDUCIALS SHOULD LIE ON TWO LINES THAT INTERSECT AT A RIGHT ANGLE | - PLACE ONE FIDUCIAL INTO EACH PANEL CORNER (FOUR ON THE TOP AND FOUR ON THE BOTTOM LAYER) | Impedance; | 90ohm; | 100ohm; | 55ohm; | Layer (Reference); | L1(L2), L12(L11); | L3(L2,L4), L10(L9,L11) | Width (um); | 101 | 85 | 90 | 93 | 80 | Gap (um); | 114 | 115 | 160 | 195 | Layer Stack Up Detail | iMX6 Rex Module | FOR MASS PRODUCTION | READ THE LICENCE | CONTACT US AT | .VersionRevision
User.7: Mechanical Drawing of iMX6 Rex Module | .VersionRevision
